# KiCad board mse-50-ce-panel.kicad_pcb (continued)
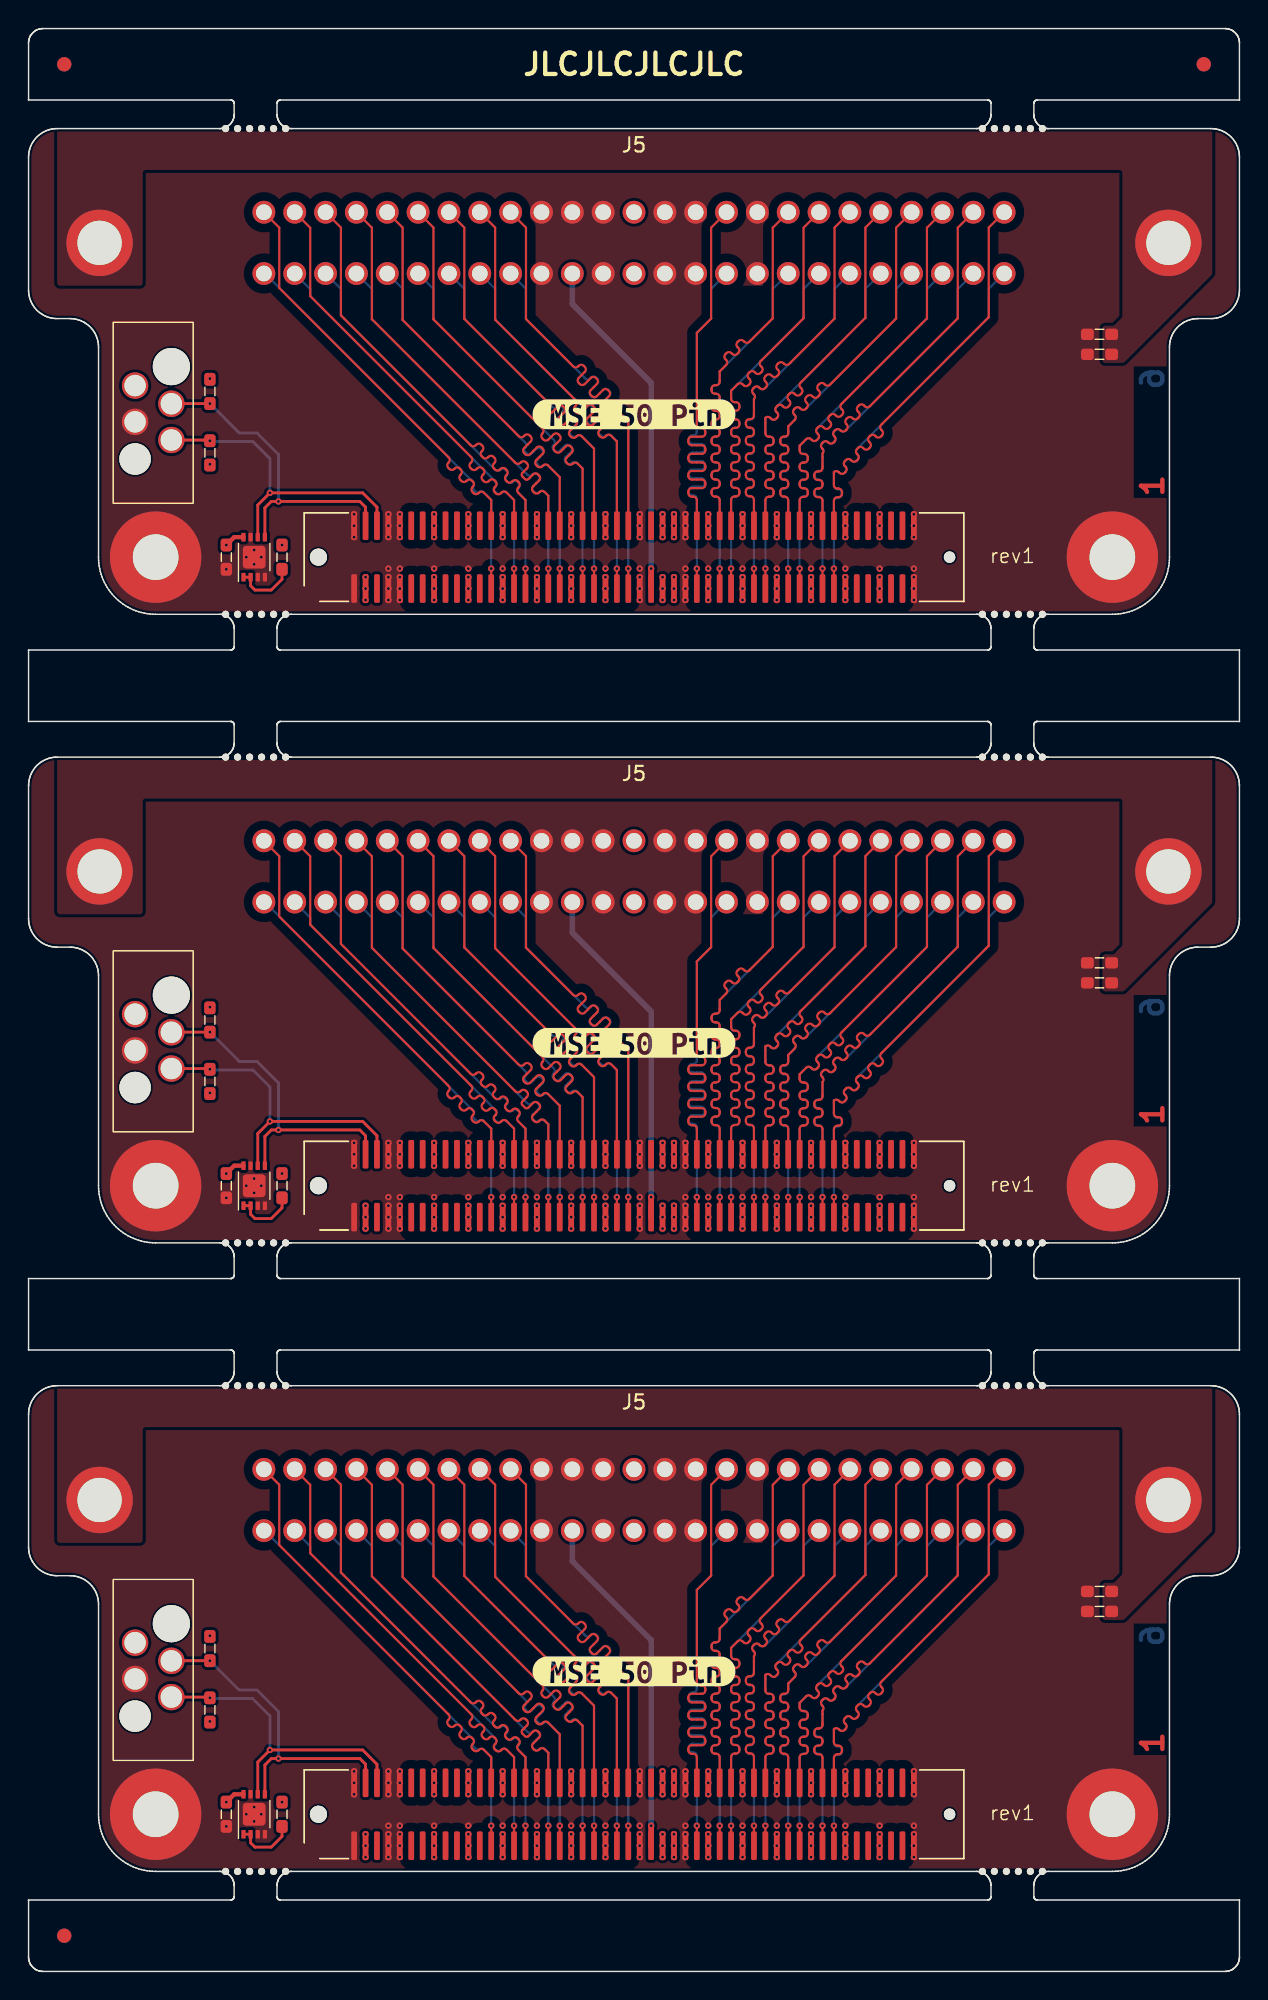
[diagram p0: board, top side]
## Routing (per net, layer and track width the routed paths; a pad name or vN(x,y) marks a point on that pad's centre or on a via; arc(x,y) is an arc through that point) (continued)
Board_2-/CON.MSG+: length 29.1
  Top w0.151: J1#3.73 v1(51.6,10.2)
  Bottom w0.151: J5.21 58.6,29.78 58.6,27.75 52.45,21.6 52.36,21.52 arc(52.29,21.35) 52.36,21.18 52.43,21.11 arc(52.5,20.94) 52.43,20.77 52.34,20.69 arc(52.17,20.62) 52,20.69 51.94,20.75 arc(51.77,20.82) 51.6,20.75 51.6,19.67 arc(51.67,19.5) 51.84,19.43 51.93,19.43 arc(52.1,19.36) 52.17,19.19 52.17,19.07 arc(52.1,18.9) 51.93,18.83 51.84,18.83 arc(51.67,18.76) 51.6,18.59 51.6,18.47 arc(51.67,18.3) 51.84,18.23 51.93,18.23 arc(52.1,18.16) 52.17,17.99 52.17,17.87 arc(52.1,17.7) 51.93,17.63 51.84,17.63 arc(51.67,17.56) 51.6,17.39 51.6,17.27 arc(51.67,17.1) 51.84,17.03 51.93,17.03 arc(52.1,16.96) 52.17,16.79 52.17,16.67 arc(52.1,16.5) 51.93,16.43 51.84,16.43 arc(51.67,16.36) 51.6,16.19 51.6,16.07 arc(51.67,15.9) 51.84,15.83 51.93,15.83 arc(52.1,15.76) 52.17,15.59 52.17,15.47 arc(52.1,15.3) 51.93,15.23 51.84,15.23 arc(51.67,15.16) 51.6,14.99 v1(51.6,10.2)
Board_2-/CON.MSG-: length 30.5
  Top w0.151: J1#3.74 51.6,14.99 arc(51.67,15.16) 51.84,15.23 51.94,15.23 arc(52.11,15.3) 52.18,15.47 52.18,15.59 arc(52.11,15.76) 51.94,15.83 51.84,15.83 arc(51.67,15.9) 51.6,16.07 51.6,16.19 arc(51.67,16.36) 51.84,16.43 51.94,16.43 arc(52.11,16.5) 52.18,16.67 52.18,16.79 arc(52.11,16.96) 51.94,17.03 51.84,17.03 arc(51.67,17.1) 51.6,17.27 51.6,17.39 arc(51.67,17.56) 51.84,17.63 51.94,17.63 arc(52.11,17.7) 52.18,17.87 52.18,17.99 arc(52.11,18.16) 51.94,18.23 51.84,18.23 arc(51.67,18.3) 51.6,18.47 51.6,18.59 arc(51.67,18.76) 51.84,18.83 51.94,18.83 arc(52.11,18.9) 52.18,19.07 52.18,19.19 arc(52.11,19.36) 51.94,19.43 51.84,19.43 arc(51.67,19.5) 51.6,19.67 51.6,20.75 arc(51.77,20.82) 51.94,20.75 52.01,20.68 arc(52.18,20.61) 52.35,20.68 52.43,20.77 arc(52.5,20.94) 52.43,21.11 52.36,21.18 arc(52.29,21.35) 52.36,21.52 52.45,21.6 arc(52.62,21.67) 52.79,21.6 52.86,21.53 arc(53.03,21.46) 53.2,21.53 53.28,21.62 arc(53.35,21.79) 53.28,21.96 53.21,22.02 arc(53.14,22.19) 53.21,22.36 53.3,22.45 arc(53.47,22.52) 53.64,22.45 53.71,22.38 arc(53.87,22.31) 54.04,22.38 54.13,22.47 arc(54.2,22.63) 54.13,22.8 54.06,22.87 arc(53.99,23.04) 54.06,23.21 54.15,23.3 58.6,27.76 58.6,34.07 J5.46
Board_2-/CON.REQ+: length 29.1
  Top w0.151: J1#3.83 v1(55.6,10.2)
  Bottom w0.151: J5.24 65.08,29.77 65.08,27.73 57.3,19.95 57.21,19.86 arc(57.04,19.79) 56.87,19.86 56.83,19.9 arc(56.66,19.97) 56.49,19.9 56.41,19.82 arc(56.34,19.65) 56.41,19.48 56.45,19.44 arc(56.52,19.27) 56.45,19.1 56.36,19.02 arc(56.19,18.95) 56.02,19.02 55.98,19.06 arc(55.81,19.13) 55.65,19.06 55.56,18.97 arc(55.49,18.8) 55.56,18.63 55.6,18.59 arc(55.67,18.42) 55.6,18.25 55.6,17.28 arc(55.53,17.11) 55.36,17.04 55.3,17.04 arc(55.13,16.96) 55.06,16.8 55.06,16.68 arc(55.13,16.51) 55.3,16.44 55.36,16.44 arc(55.53,16.36) 55.6,16.2 55.6,16.08 arc(55.53,15.91) 55.36,15.84 55.3,15.84 arc(55.13,15.76) 55.06,15.6 55.06,15.48 arc(55.13,15.31) 55.3,15.24 55.36,15.24 arc(55.53,15.16) 55.6,15 v1(55.6,10.2)
Board_2-/CON.REQ-: length 30.5
  Top w0.151: J1#3.84 55.6,14.96 arc(55.53,15.13) 55.36,15.2 55.26,15.2 arc(55.09,15.27) 55.02,15.44 55.02,15.56 arc(55.09,15.73) 55.26,15.8 55.36,15.8 arc(55.53,15.87) 55.6,16.04 55.6,16.16 arc(55.53,16.33) 55.36,16.4 55.26,16.4 arc(55.09,16.47) 55.02,16.64 55.02,16.76 arc(55.09,16.93) 55.26,17 55.36,17 arc(55.53,17.07) 55.6,17.24 55.6,18.25 arc(55.67,18.42) 55.6,18.59 55.57,18.63 arc(55.5,18.8) 55.57,18.97 55.65,19.05 arc(55.82,19.12) 55.99,19.05 56.02,19.02 arc(56.19,18.95) 56.36,19.02 56.45,19.1 arc(56.52,19.27) 56.45,19.44 56.41,19.47 arc(56.34,19.64) 56.41,19.81 56.5,19.9 arc(56.67,19.97) 56.84,19.9 56.87,19.86 arc(57.04,19.79) 57.21,19.86 57.3,19.95 arc(57.37,20.12) 57.3,20.29 57.26,20.32 arc(57.19,20.49) 57.26,20.66 57.35,20.75 arc(57.52,20.82) 57.69,20.75 57.72,20.71 arc(57.89,20.64) 58.06,20.71 58.15,20.8 arc(58.22,20.97) 58.15,21.14 58.08,21.21 arc(58.01,21.38) 58.08,21.55 58.16,21.63 arc(58.33,21.7) 58.5,21.63 58.57,21.56 arc(58.74,21.49) 58.91,21.56 58.99,21.65 65.08,27.73 65.08,34.06 J5.49
Board_2-/CON.RST+: length 29.1
  Top w0.151: J1#3.71 v1(50.8,10.2)
  Bottom w0.151: v1(50.8,10.2) 50.8,15 arc(50.73,15.17) 50.56,15.24 50.48,15.24 arc(50.31,15.31) 50.24,15.48 50.24,15.6 arc(50.31,15.77) 50.48,15.84 50.56,15.84 arc(50.73,15.91) 50.8,16.08 50.8,16.2 arc(50.73,16.37) 50.56,16.44 50.48,16.44 arc(50.31,16.51) 50.24,16.68 50.24,16.8 arc(50.31,16.97) 50.48,17.04 50.56,17.04 arc(50.73,17.11) 50.8,17.28 50.8,17.4 arc(50.73,17.57) 50.56,17.64 50.48,17.64 arc(50.31,17.71) 50.24,17.88 50.24,18 arc(50.31,18.17) 50.48,18.24 50.56,18.24 arc(50.73,18.31) 50.8,18.48 50.8,18.6 arc(50.73,18.77) 50.56,18.84 50.48,18.84 arc(50.31,18.91) 50.24,19.08 50.24,19.2 arc(50.31,19.37) 50.48,19.44 50.56,19.44 arc(50.73,19.51) 50.8,19.68 50.8,19.8 arc(50.73,19.97) 50.56,20.04 50.48,20.04 arc(50.31,20.11) 50.24,20.28 50.24,20.4 arc(50.31,20.57) 50.48,20.64 50.56,20.64 arc(50.73,20.71) 50.8,20.88 50.8,22.05 arc(50.87,22.22) 50.8,22.39 50.74,22.45 arc(50.67,22.62) 50.74,22.79 50.83,22.87 arc(51,22.94) 51.17,22.87 51.22,22.82 arc(51.39,22.75) 51.56,22.82 56.45,27.7 56.45,29.79 J5.20
Board_2-/CON.RST-: length 30.5
  Top w0.151: J5.45 56.44,34.07 56.44,27.71 53.26,24.52 arc(53.09,24.45) 52.92,24.52 52.86,24.58 arc(52.69,24.66) 52.52,24.58 52.44,24.5 arc(52.37,24.33) 52.44,24.16 52.5,24.1 arc(52.57,23.93) 52.5,23.76 52.41,23.68 arc(52.24,23.61) 52.07,23.68 52.01,23.74 arc(51.84,23.81) 51.67,23.74 51.59,23.65 arc(51.52,23.48) 51.59,23.31 51.65,23.25 arc(51.72,23.08) 51.65,22.91 51.56,22.83 arc(51.39,22.76) 51.22,22.83 51.16,22.89 arc(50.99,22.96) 50.82,22.89 50.74,22.8 arc(50.67,22.63) 50.74,22.46 50.8,22.4 arc(50.87,22.23) 50.8,22.06 50.8,20.91 arc(50.73,20.74) 50.56,20.67 50.47,20.67 arc(50.3,20.6) 50.23,20.43 50.23,20.31 arc(50.3,20.14) 50.47,20.07 50.56,20.07 arc(50.73,20) 50.8,19.83 50.8,19.71 arc(50.73,19.54) 50.56,19.47 50.47,19.47 arc(50.3,19.4) 50.23,19.23 50.23,19.11 arc(50.3,18.94) 50.47,18.87 50.56,18.87 arc(50.73,18.8) 50.8,18.63 50.8,18.51 arc(50.73,18.34) 50.56,18.27 50.47,18.27 arc(50.3,18.2) 50.23,18.03 50.23,17.91 arc(50.3,17.74) 50.47,17.67 50.56,17.67 arc(50.73,17.6) 50.8,17.43 50.8,17.31 arc(50.73,17.14) 50.56,17.07 50.47,17.07 arc(50.3,17) 50.23,16.83 50.23,16.71 arc(50.3,16.54) 50.47,16.47 50.56,16.47 arc(50.73,16.4) 50.8,16.23 50.8,16.11 arc(50.73,15.94) 50.56,15.87 50.47,15.87 arc(50.3,15.8) 50.23,15.63 50.23,15.51 arc(50.3,15.34) 50.47,15.27 50.56,15.27 arc(50.73,15.2) 50.8,15.03 J1#3.72
Board_2-/CON.SEL+: length 29.1
  Top w0.151: J1#3.77 v1(53.2,10.2)
  Bottom w0.151: v1(53.2,10.2) 53.2,14.97 arc(53.13,15.14) 52.96,15.21 52.89,15.21 arc(52.72,15.28) 52.65,15.45 52.65,15.57 arc(52.72,15.74) 52.89,15.81 52.96,15.81 arc(53.13,15.88) 53.2,16.05 53.2,16.17 arc(53.13,16.34) 52.96,16.41 52.89,16.41 arc(52.72,16.48) 52.65,16.65 52.65,16.77 arc(52.72,16.94) 52.89,17.01 52.96,17.01 arc(53.13,17.08) 53.2,17.25 53.2,17.37 arc(53.13,17.54) 52.96,17.61 52.89,17.61 arc(52.72,17.68) 52.65,17.85 52.65,17.97 arc(52.72,18.14) 52.89,18.21 52.96,18.21 arc(53.13,18.28) 53.2,18.45 53.2,18.57 arc(53.13,18.74) 52.96,18.81 52.89,18.81 arc(52.72,18.88) 52.65,19.05 52.65,19.17 arc(52.72,19.34) 52.89,19.41 52.96,19.41 arc(53.13,19.48) 53.2,19.65 53.2,20.15 53.66,20.61 arc(53.73,20.78) 53.66,20.95 53.61,21 arc(53.54,21.17) 53.61,21.34 53.7,21.42 arc(53.86,21.49) 54.03,21.42 54.08,21.38 arc(54.25,21.3) 54.42,21.38 54.51,21.46 60.75,27.7 60.75,29.77 J5.22
Board_2-/CON.SEL-: length 30.5
  Top w0.151: J5.47 60.76,34.06 60.76,27.71 56.12,23.07 arc(55.95,23) 55.78,23.07 55.72,23.13 arc(55.55,23.2) 55.38,23.13 55.3,23.04 arc(55.23,22.87) 55.3,22.71 55.36,22.65 arc(55.43,22.48) 55.36,22.31 55.27,22.22 arc(55.1,22.15) 54.93,22.22 54.88,22.28 arc(54.71,22.35) 54.54,22.28 54.45,22.2 arc(54.38,22.03) 54.45,21.86 54.51,21.8 arc(54.58,21.63) 54.51,21.46 54.42,21.38 arc(54.25,21.3) 54.08,21.38 54.03,21.43 arc(53.86,21.5) 53.69,21.43 53.6,21.35 arc(53.53,21.18) 53.6,21.01 53.66,20.95 arc(53.73,20.78) 53.66,20.61 53.2,20.15 53.2,19.68 arc(53.13,19.51) 52.96,19.44 52.88,19.44 arc(52.71,19.37) 52.64,19.2 52.64,19.08 arc(52.71,18.91) 52.88,18.84 52.96,18.84 arc(53.13,18.77) 53.2,18.6 53.2,18.48 arc(53.13,18.31) 52.96,18.24 52.88,18.24 arc(52.71,18.17) 52.64,18 52.64,17.88 arc(52.71,17.71) 52.88,17.64 52.96,17.64 arc(53.13,17.57) 53.2,17.4 53.2,17.28 arc(53.13,17.11) 52.96,17.04 52.88,17.04 arc(52.71,16.97) 52.64,16.8 52.64,16.68 arc(52.71,16.51) 52.88,16.44 52.96,16.44 arc(53.13,16.37) 53.2,16.2 53.2,16.08 arc(53.13,15.91) 52.96,15.84 52.88,15.84 arc(52.71,15.77) 52.64,15.6 52.64,15.48 arc(52.71,15.31) 52.88,15.24 52.96,15.24 arc(53.13,15.17) 53.2,15 J1#3.78
Board_2-/CON.TERMPWR:
  vias: v1(44.4,14) v1(44.4,13.2) v1(44.4,12.4) v1(44.4,9.6) v1(44.4,8.8) v1(44.4,8) v1(45.2,14) v1(45.2,13.2) v1(45.2,12.4) v1(45.2,9.6) v1(45.2,8.8) v1(45.2,8)
Board_2-/PHY.ID_SCL: length 22.5
  Top w0.2: J1#3.6 24.4,14.5 23.4,15.5 v1(16.9,15.5) 16.05,14.65 U1#2.6 ; v1(12.7,19.15) 12.35,19.15 12.3,19.2 J3#3.4
  Bottom w0.2: v1(16.9,15.5) 16.9,17.9 15.7,19.1 12.75,19.1 v1(12.7,19.15)
Board_2-/PHY.ID_SDA: length 23
  Top w0.2: U1#2.5 16.55,14.45 17,14.9 23.2,14.9 23.6,14.5 J1#3.4 ; J3#3.2 10.01,21.75 v1(12.7,21.75)
  Bottom w0.2: v1(17.5,14.9) 17.5,18.2 16,19.7 14.75,19.7 v1(12.7,21.75)
Board_2-GND:
  vias: v1(13.85,10.15) v1(15.25,11) v1(15.8,11.5) v1(15.8,10.5) v1(16.3,11) v1(22.8,14) v1(22.8,13.2) v1(22.8,12.4) v1(25.2,14) v1(25.2,13.2) v1(25.2,12.4) v1(25.2,10.2) v1(25.2,9.6) v1(25.2,8.8) v1(25.2,8) v1(26,14) v1(26,13.2) v1(26,12.4) v1(26,10.2) v1(26,9.6) v1(26,8.8) v1(26,8) v1(28.4,14) v1(28.4,13.2) v1(28.4,12.4) v1(28.4,10.2) v1(28.4,9.6) v1(28.4,8.8) v1(28.4,8) v1(30.8,14) v1(30.8,13.2) v1(30.8,12.4) v1(30.8,10.2) v1(30.8,9.6) v1(30.8,8.8) v1(30.8,8) v1(33.2,14) v1(33.2,13.2) v1(33.2,12.4) v1(33.2,10.2) v1(33.2,9.6) v1(33.2,8.8) v1(33.2,8) v1(35.6,14) v1(35.6,13.2) v1(35.6,12.4) v1(35.6,10.2) v1(35.6,9.6) v1(35.6,8.8) v1(35.6,8) v1(38,14) v1(38,13.2) v1(38,12.4) v1(38,10.2) v1(38,9.6) v1(38,8.8) v1(38,8) v1(40.4,14) v1(40.4,13.2) v1(40.4,12.4) v1(40.4,10.2) v1(40.4,9.6) v1(40.4,8.8) v1(40.4,8) v1(42.8,14) v1(42.8,13.2) v1(42.8,12.4) v1(42.8,10.2) v1(42.8,9.6) v1(42.8,8.8) v1(42.8,8) v1(46,14) v1(46,13.2) v1(46,12.4) v1(46,10.2) v1(46,9.6) v1(46,8.8) v1(46,8) v1(47.6,14) v1(47.6,13.2) v1(47.6,12.4) v1(47.6,10.2) v1(47.6,9.6) v1(47.6,8.8) v1(47.6,8) v1(50,14) v1(50,13.2) v1(50,12.4) v1(50,10.2) v1(50,9.6) v1(50,8.8) v1(50,8) v1(52.4,14) v1(52.4,13.2) v1(52.4,12.4) v1(52.4,10.2) v1(52.4,9.6) v1(52.4,8.8) v1(52.4,8) v1(54.8,14) v1(54.8,13.2) v1(54.8,12.4) v1(54.8,10.2) v1(54.8,9.6) v1(54.8,8.8) v1(54.8,8) v1(57.2,14) v1(57.2,13.2) v1(57.2,12.4) v1(57.2,10.2) v1(57.2,9.6) v1(57.2,8.8) v1(57.2,8) v1(59.6,14) v1(59.6,13.2) v1(59.6,12.4) v1(59.6,10.2) v1(59.6,9.6) v1(59.6,8.8) v1(59.6,8) v1(62,14) v1(62,13.2) v1(62,12.4) v1(62,10.2) v1(62,9.6) v1(62,8.8) v1(62,8)
Board_2-Net-(U1-E0): length 4.4
  Top w0.2: R1.1 17.75,9.45 17,8.7 15.85,8.7 15.55,9 U1#2.2 U1#2.1

## Copper pours and planes (outline as drawn; the poured copper is in the pictures)
Board_0-+3V3 on In2.Cu: 23.9,95.7 8.9,95.7 5.6,99 5.6,112.2 13.9,112.2 13.9,102 19.7,102 23.9,97.8
Board_0-/CON.TERMPWR on In2.Cu: 0,115.7 2.9,115.7 4.9,113.7 4.9,95 79.9,95 79.9,113.7 81.9,115.7 84.8,115.7 84.8,129 0,129
Board_0-GND on Top, Bottom, In1.Cu, In3.Cu, In4.Cu: 84.8,115.7 81.9,115.7 79.9,113.7 79.9,95 4.9,95 4.9,113.7 2.9,115.7 0,115.7 0,129 84.8,129
Board_0-Net-(C2-Pad2) on Top: 76.6,115.8 76,115.2 75.2,115.2 75.2,112.6 76.7,112.6 82.9,118.8 82.9,129 2,129 2,118 8,118 8,126.1 76.6,126.1
Board_1-+3V3 on In2.Cu: 23.9,51.7 8.9,51.7 5.6,55 5.6,68.2 13.9,68.2 13.9,58 19.7,58 23.9,53.8
Board_1-/CON.TERMPWR on In2.Cu: 0,71.7 2.9,71.7 4.9,69.7 4.9,51 79.9,51 79.9,69.7 81.9,71.7 84.8,71.7 84.8,85 0,85
Board_1-GND on Top, Bottom, In1.Cu, In3.Cu, In4.Cu: 84.8,71.7 81.9,71.7 79.9,69.7 79.9,51 4.9,51 4.9,69.7 2.9,71.7 0,71.7 0,85 84.8,85
Board_1-Net-(C2-Pad2) on Top: 76.6,71.8 76,71.2 75.2,71.2 75.2,68.6 76.7,68.6 82.9,74.8 82.9,85 2,85 2,74 8,74 8,82.1 76.6,82.1
Board_2-+3V3 on In2.Cu: 23.9,7.7 8.9,7.7 5.6,11 5.6,24.2 13.9,24.2 13.9,14 19.7,14 23.9,9.8
Board_2-/CON.TERMPWR on In2.Cu: 0,27.7 2.9,27.7 4.9,25.7 4.9,7 79.9,7 79.9,25.7 81.9,27.7 84.8,27.7 84.8,41 0,41
Board_2-GND on Top, Bottom, In1.Cu, In3.Cu, In4.Cu: 84.8,27.7 81.9,27.7 79.9,25.7 79.9,7 4.9,7 4.9,25.7 2.9,27.7 0,27.7 0,41 84.8,41
Board_2-Net-(C2-Pad2) on Top: 76.6,27.8 76,27.2 75.2,27.2 75.2,24.6 76.7,24.6 82.9,30.8 82.9,41 2,41 2,30 8,30 8,38.1 76.6,38.1

## Text on the board
Bottom: 6
Top: 1
F.Silkscreen: rev1 | JLCJLCJLCJLC
In1.Cu: 2
In2.Cu: 3
In3.Cu: 4
In4.Cu: 5
